# Allegro board 6089-103-RevA_73.brd (continued)
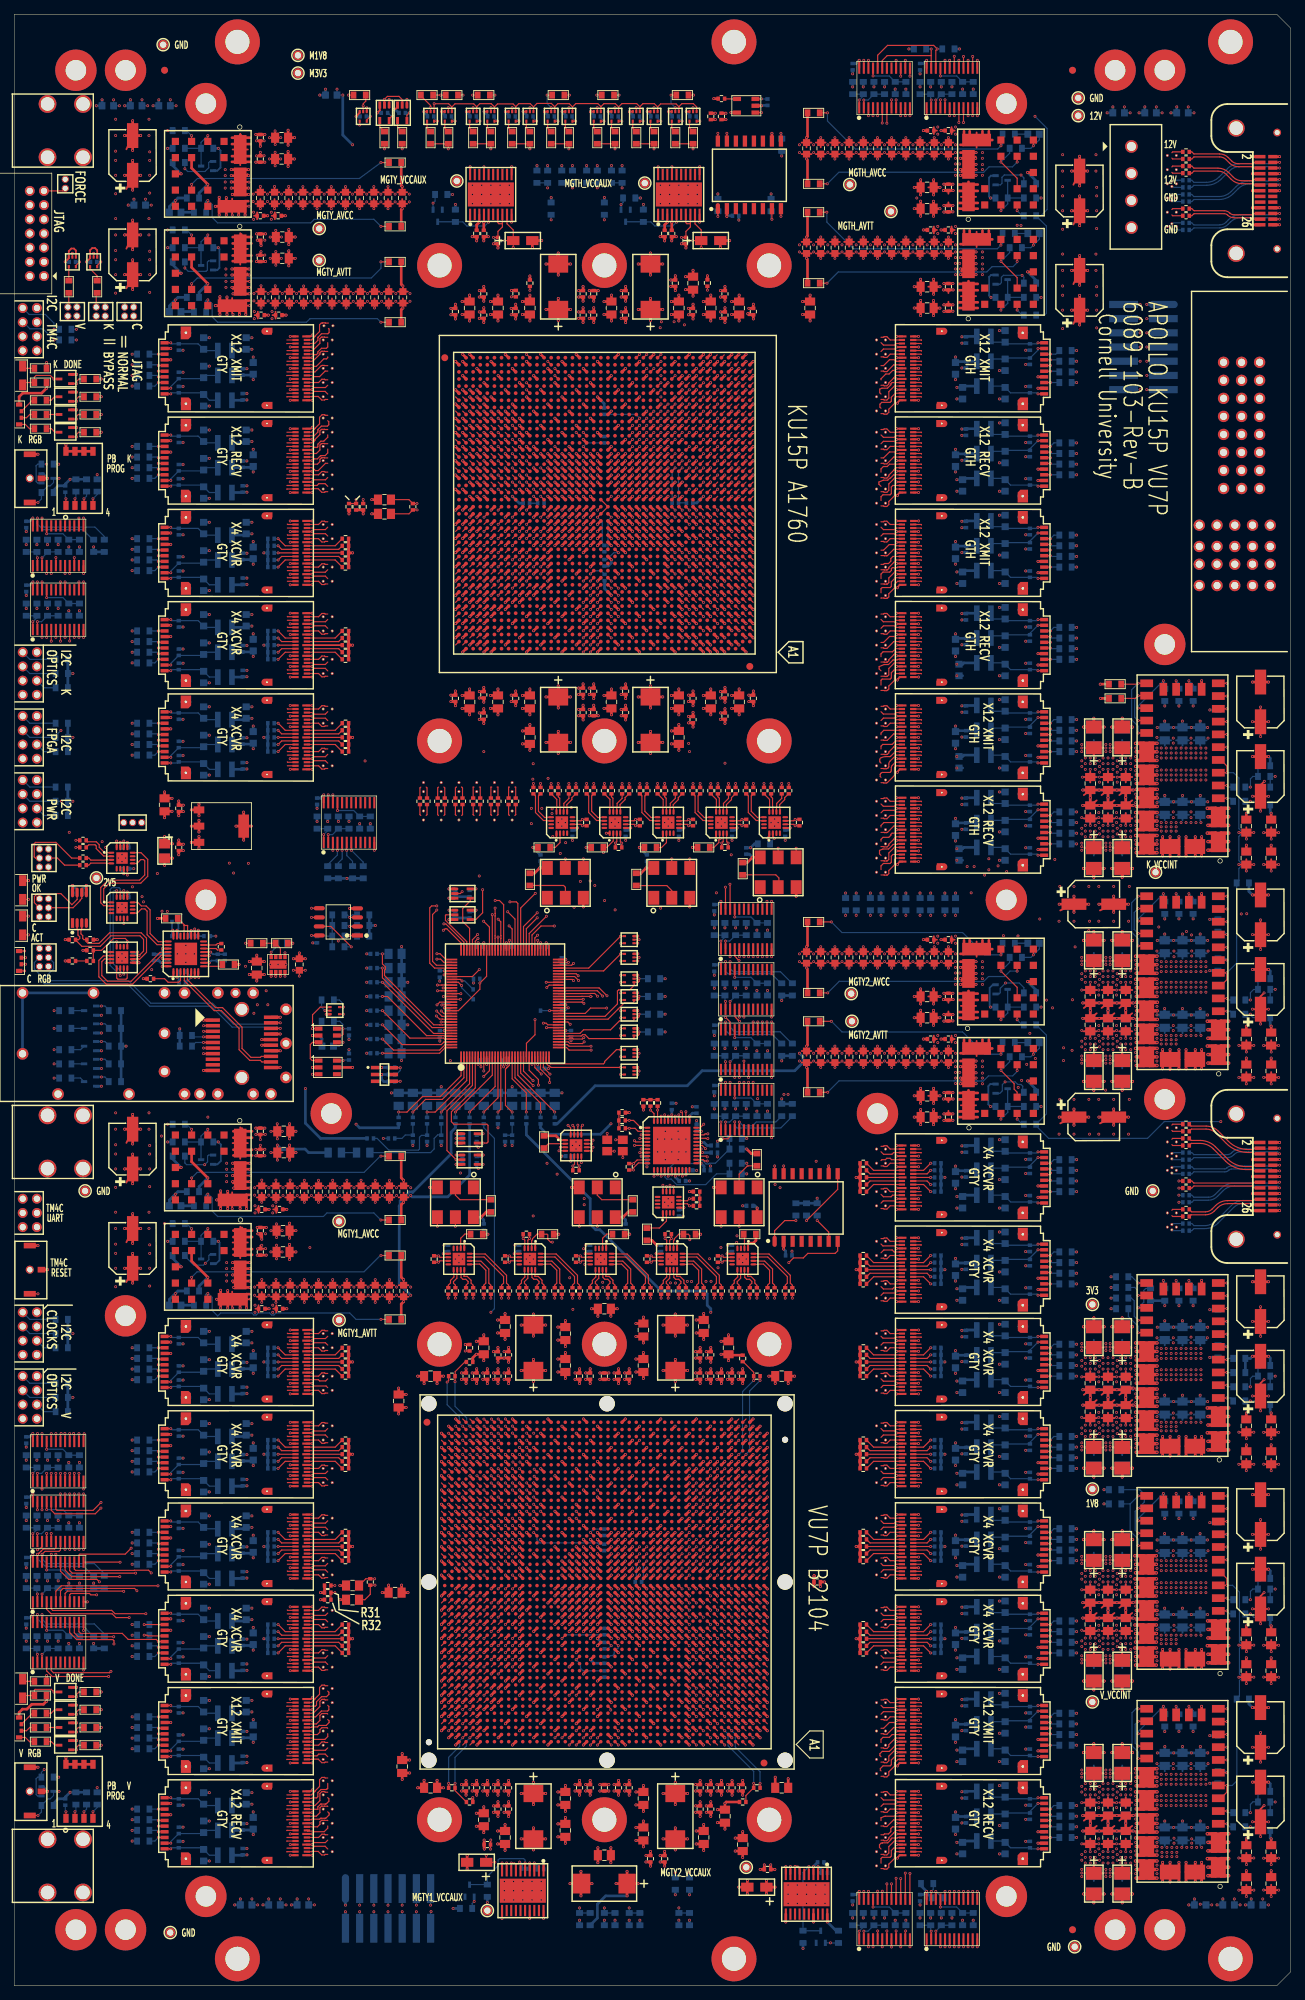
[diagram p0: board, top side]
## Routing (per net, layer and track width the routed paths; a pad name or vN(x,y) marks a point on that pad's centre or on a via; arc(x,y) is an arc through that point) (continued)
 ; J5.8 3.2,163.02 ; J5.8 3.87,163.23 ; J5.8 3.2,164.78 ; J5.8 2.53,164.57 ; J5.8 2.53,163.23 ; U13.24 39.07,132.03 ; U13.24 38.31,131.78 ; U13.24 38.31,133.79 ; U13.24 37.55,132.03 ; U13.24 39.07,133.55 ; U13.24 37.55,133.55 ; U13.24 37.31,132.79 ; U13.24 39.32,132.79 ; 64.79,168.08 65.2,168.26 ; 65.2,168.26 65.01,167.85 ; 65.2,168.26 65.52,167.94 ; 65.2,168.26 64.82,168.26 ; 65.2,168.26 65.2,167.88 ; 65.2,168.26 65.58,168.26 ; 65.2,168.26 64.88,167.94 ; 65.2,168.26 65.61,168.08 ; 43.56,91.52 43.56,91.9 ; 43.56,91.9 43.15,92.09 ; 43.56,91.9 43.56,92.28 ; 43.56,91.9 43.38,91.49 ; 43.56,91.9 43.24,92.22 ; 43.56,91.9 43.24,91.58 ; 43.56,91.9 43.18,91.9 ; 43.56,91.9 43.15,91.71 ; 122.83,171.52 VA93.3 ; VA93.3 123.02,172.31 ; VA93.3 123.22,171.9 ; VA93.3 123.25,172.09 ; VA93.3 123.16,172.22 ; VA93.3 122.83,172.28 ; VA93.3 123.25,171.71 ; VA93.3 123.16,171.58 ; 171.33,202.06 P1.P2-5 ; P1.P2-5 171.09,202.8 ; P1.P2-5 172.07,203.78 ; P1.P2-5 173.05,202.8 ; P1.P2-5 172.81,202.06 ; P1.P2-5 172.07,201.82 ; P1.P2-5 171.33,203.54 ; P1.P2-5 172.81,203.54 ; 121.15,92.09 VA109.3 ; VA109.3 121.24,92.22 ; VA109.3 121.24,91.58 ; VA109.3 121.56,91.52 ; VA109.3 121.18,91.9 ; VA109.3 121.38,91.49 ; VA109.3 121.56,92.28 ; VA109.3 121.15,91.71 ; VA7.4 44.84,219.28 ; VA7.4 45.16,219.22 ; VA7.4 44.84,218.52 ; VA7.4 45.22,218.9 ; VA7.4 45.25,219.09 ; VA7.4 45.02,219.31 ; VA7.4 45.16,218.58 ; VA7.4 45.25,218.71 ; VA2.4 45.25,229.71 ; VA2.4 45.16,229.58 ; VA2.4 44.84,229.52 ; VA2.4 45.25,230.09 ; VA2.4 45.22,229.9 ; VA2.4 44.84,230.28 ; VA2.4 45.16,230.22 ; VA2.4 45.02,230.31 ; 43.38,223.49 43.56,223.9 ; 43.56,223.9 43.56,223.52 ; 43.56,223.9 43.18,223.9 ; 43.56,223.9 43.24,224.22 ; 43.56,223.9 43.15,223.71 ; 43.56,223.9 43.24,223.58 ; 43.56,223.9 43.56,224.28 ; 43.56,223.9 43.15,224.09 ; 142.19,52.96 U115.G2 ; U115.G2 141.79,52.97 ; U115.G2 141.47,54.62 ; U115.G2 142.19,54.84 ; U115.G2 142.91,53.18 ; U115.G2 141.47,53.18 ; U115.G2 141.25,53.9 ; U115.G2 142.91,54.62 ; VA136.3 123.02,17.31 ; VA136.3 123.22,16.9 ; VA136.3 123.16,16.58 ; VA136.3 123.25,17.09 ; VA136.3 122.83,17.28 ; VA136.3 123.25,16.71 ; VA136.3 123.16,17.22 ; VA136.3 122.83,16.52 ; 166.09,205.8 P1.P2-10 ; P1.P2-10 167.07,206.78 ; P1.P2-10 167.81,206.54 ; P1.P2-10 167.81,205.06 ; P1.P2-10 167.07,204.82 ; P1.P2-10 168.05,205.8 ; P1.P2-10 166.33,206.54 ; P1.P2-10 166.33,205.06 ; 163.84,247.9 164.02,248.31 ; 163.84,247.9 163.84,247.52 ; 163.84,247.9 164.25,247.71 ; 163.84,247.9 163.84,248.28 ; 163.84,247.9 164.16,247.58 ; 163.84,247.9 164.22,247.9 ; 163.84,247.9 164.16,248.22 ; 163.84,247.9 164.25,248.09 ; 122.83,214.52 VA73.3 ; VA73.3 123.02,215.31 ; VA73.3 123.22,214.9 ; VA73.3 122.83,215.28 ; VA73.3 123.25,215.09 ; VA73.3 123.16,214.58 ; VA73.3 123.25,214.71 ; VA73.3 123.16,215.22 ; 163.84,120.9 164.02,121.31 ; 163.84,120.9 164.22,120.9 ; 163.84,120.9 164.25,120.71 ; 163.84,120.9 164.16,121.22 ; 163.84,120.9 164.25,121.09 ; 163.84,120.9 164.16,120.58 ; 163.84,120.9 163.84,121.28 ; 163.84,120.9 163.84,120.52 ; VA106.4 123.16,103.22 ; VA106.4 123.25,103.09 ; VA106.4 122.83,102.52 ; VA106.4 123.22,102.9 ; VA106.4 123.16,102.58 ; VA106.4 122.83,103.28 ; VA106.4 123.25,102.71 ; VA106.4 123.02,103.31 ; VA20.4 44.84,180.28 ; VA20.4 45.02,180.31 ; VA20.4 44.84,179.52 ; VA20.4 45.25,180.09 ; VA20.4 45.16,179.58 ; VA20.4 45.22,179.9 ; VA20.4 45.25,179.71 ; VA20.4 45.16,180.22 ; VA127.4 121.56,36.28 ; VA127.4 121.15,35.71 ; VA127.4 121.24,36.22 ; VA127.4 121.56,35.52 ; VA127.4 121.15,36.09 ; VA127.4 121.24,35.58 ; VA127.4 121.38,35.49 ; VA127.4 121.18,35.9 ; VA76.3 122.83,209.28 ; VA76.3 123.16,209.22 ; VA76.3 123.25,209.09 ; VA76.3 123.16,208.58 ; VA76.3 122.83,208.52 ; VA76.3 123.25,208.71 ; VA76.3 123.02,209.31 ; VA76.3 123.22,208.9 ; VA19.3 44.84,185.28 ; VA19.3 44.84,184.52 ; VA19.3 45.25,185.09 ; VA19.3 45.16,185.22 ; VA19.3 45.16,184.58 ; VA19.3 45.02,185.31 ; VA19.3 45.25,184.71 ; VA19.3 45.22,184.9 ; VA117.4 123.16,65.58 ; VA117.4 123.02,66.31 ; VA117.4 122.83,65.52 ; VA117.4 123.25,65.71 ; VA117.4 123.25,66.09 ; VA117.4 123.16,66.22 ; VA117.4 122.83,66.28 ; VA117.4 123.22,65.9 ; 20.52,133.54 U13.36 ; U13.36 20.32,134.21 ; U13.36 21.86,134.88 ; U13.36 21.19,135.09 ; U13.36 21.86,133.54 ; U13.36 22.07,134.21 ; U13.36 21.19,133.33 ; U13.36 20.52,134.88 ; 121.15,21.09 VA134.4 ; VA134.4 121.24,20.58 ; VA134.4 121.15,20.71 ; VA134.4 121.56,20.52 ; VA134.4 121.38,20.49 ; VA134.4 121.24,21.22 ; VA134.4 121.18,20.9 ; VA134.4 121.56,21.28 ; 122.83,195.52 VA82.3 ; VA82.3 123.22,195.9 ; VA82.3 123.16,195.58 ; VA82.3 123.25,196.09 ; VA82.3 123.25,195.71 ; VA82.3 123.16,196.22 ; VA82.3 123.02,196.31 ; VA82.3 122.83,196.28 ; 2.32,172.9 J4.8 ; J4.8 2.53,173.57 ; J4.8 3.2,172.02 ; J4.8 4.08,172.9 ; J4.8 3.87,173.57 ; J4.8 2.53,172.23 ; J4.8 3.2,173.78 ; J4.8 3.87,172.23 ; 44.84,59.52 VA34.3 ; VA34.3 45.22,59.9 ; VA34.3 45.16,60.22 ; VA34.3 45.25,60.09 ; VA34.3 45.25,59.71 ; VA34.3 44.84,60.28 ; VA34.3 45.16,59.58 ; VA34.3 45.02,60.31 ; VA123.3 123.16,47.22 ; VA123.3 123.02,47.31 ; VA123.3 122.83,46.52 ; VA123.3 122.83,47.28 ; VA123.3 123.25,47.09 ; VA123.3 123.25,46.71 ; VA123.3 123.22,46.9 ; VA123.3 123.16,46.58 ; 121.56,166.52 VA95.4 ; VA95.4 121.38,166.49 ; VA95.4 121.56,167.28 ; VA95.4 121.15,166.71 ; VA95.4 121.24,166.58 ; VA95.4 121.15,167.09 ; VA95.4 121.24,167.22 ; VA95.4 121.18,166.9 ; 121.24,118.22 VA101.3 ; VA101.3 121.38,117.49 ; VA101.3 121.15,118.09 ; VA101.3 121.24,117.58 ; VA101.3 121.15,117.71 ; VA101.3 121.18,117.9 ; VA101.3 121.56,117.52 ; VA101.3 121.56,118.28 ; PM21.1 21.67,272.83 ; PM21.1 21,274.38 ; PM21.1 21,272.62 ; PM21.1 21.88,273.5 ; PM21.1 21.67,274.17 ; PM21.1 20.33,272.83 ; PM21.1 20.12,273.5 ; PM21.1 20.33,274.17 ; U27.G2 24.93,56.18 ; U27.G2 23.49,56.18 ; U27.G2 23.81,55.97 ; U27.G2 24.21,55.96 ; U27.G2 24.93,57.62 ; U27.G2 24.21,57.84 ; U27.G2 23.49,57.62 ; U27.G2 25.15,56.9 ; P1.14 173.03,224.65 ; P1.14 174.01,223.67 ; P1.14 172.29,224.41 ; P1.14 173.03,222.69 ; P1.14 172.05,223.67 ; P1.14 172.29,222.93 ; P1.14 173.77,224.41 ; P1.14 173.77,222.93 ; VA31.3 44.84,71.28 ; VA31.3 44.84,70.52 ; VA31.3 45.16,71.22 ; VA31.3 45.02,71.31 ; VA31.3 45.25,71.09 ; VA31.3 45.25,70.71 ; VA31.3 45.22,70.9 ; VA31.3 45.16,70.58 ; 25.53,124.98 U13.29 ; U13.29 26.2,126.53 ; U13.29 27.07,125.65 ; U13.29 26.2,124.77 ; U13.29 25.32,125.65 ; U13.29 25.53,126.32 ; U13.29 26.87,126.32 ; U13.29 26.87,124.98 ; 163.84,257.52 163.84,257.9 ; 163.84,257.9 164.22,257.9 ; 163.84,257.9 163.84,258.28 ; 163.84,257.9 164.02,258.31 ; 163.84,257.9 164.16,257.58 ; 163.84,257.9 164.25,257.71 ; 163.84,257.9 164.25,258.09 ; 163.84,257.9 164.16,258.22 ; 43.15,184.71 43.56,184.9 ; 43.56,184.9 43.56,184.52 ; 43.56,184.9 43.38,184.49 ; 43.56,184.9 43.24,184.58 ; 43.56,184.9 43.15,185.09 ; 43.56,184.9 43.56,185.28 ; 43.56,184.9 43.24,185.22 ; 43.56,184.9 43.18,184.9 ; 24.21,39.96 U29.G1 ; U29.G1 24.93,40.18 ; U29.G1 23.49,41.62 ; U29.G1 24.93,41.62 ; U29.G1 23.81,39.97 ; U29.G1 25.15,40.9 ; U29.G1 23.49,40.18 ; U29.G1 24.21,41.84 ; 60.2,168.26 60.52,167.94 ; 60.2,168.26 60.2,167.88 ; 60.2,168.26 59.79,168.08 ; 60.2,168.26 60.58,168.26 ; 60.2,168.26 60.01,167.85 ; 60.2,168.26 59.88,167.94 ; 60.2,168.26 60.61,168.08 ; 60.2,168.26 59.82,168.26 ; 121.56,65.52 VA117.3 ; VA117.3 121.24,65.58 ; VA117.3 121.24,66.22 ; VA117.3 121.15,66.09 ; VA117.3 121.56,66.28 ; VA117.3 121.15,65.71 ; VA117.3 121.38,65.49 ; VA117.3 121.18,65.9 ; 15.31,125.65 U13.31 ; U13.31 16.19,124.77 ; U13.31 15.52,126.32 ; U13.31 17.07,125.65 ; U13.31 16.86,126.32 ; U13.31 16.19,126.53 ; U13.31 15.52,124.98 ; U13.31 16.86,124.98 ; 43.56,18.52 43.56,18.9 ; 43.56,18.9 43.15,18.71 ; 43.56,18.9 43.24,19.22 ; 43.56,18.9 43.15,19.09 ; 43.56,18.9 43.38,18.49 ; 43.56,18.9 43.18,18.9 ; 43.56,18.9 43.24,18.58 ; 43.56,18.9 43.56,19.28 ; 121.15,109.71 VA104.4 ; VA104.4 121.56,109.52 ; VA104.4 121.24,110.22 ; VA104.4 121.15,110.09 ; VA104.4 121.38,109.49 ; VA104.4 121.18,109.9 ; VA104.4 121.24,109.58 ; VA104.4 121.56,110.28 ; 23.49,184.62 U23.G2 ; U23.G2 24.21,184.84 ; U23.G2 25.15,183.9 ; U23.G2 23.49,183.18 ; U23.G2 24.93,184.62 ; U23.G2 24.21,182.96 ; U23.G2 23.81,182.97 ; U23.G2 24.93,183.18 ; VA99.3 123.16,159.22 ; VA99.3 123.25,158.71 ; VA99.3 123.25,159.09 ; VA99.3 123.02,159.31 ; VA99.3 122.83,158.52 ; VA99.3 123.22,158.9 ; VA99.3 123.16,158.58 ; VA99.3 122.83,159.28 ; 60.2,164.26 60.52,163.94 ; 60.2,164.26 60.61,164.08 ; 60.2,164.26 60.58,164.26 ; 60.2,164.26 59.79,164.08 ; 60.2,164.26 60.01,163.85 ; 60.2,164.26 59.82,164.26 ; 60.2,164.26 59.88,163.94 ; 60.2,164.26 60.2,163.88 ; VA72.3 123.22,216.9 ; VA72.3 123.25,217.09 ; VA72.3 123.02,217.31 ; VA72.3 123.25,216.71 ; VA72.3 123.16,217.22 ; VA72.3 122.83,217.28 ; VA72.3 123.16,216.58 ; VA72.3 122.83,216.52 ; VA114.4 123.25,77.09 ; VA114.4 122.83,77.28 ; VA114.4 123.25,76.71 ; VA114.4 123.16,76.58 ; VA114.4 123.22,76.9 ; VA114.4 123.02,77.31 ; VA114.4 123.16,77.22 ; VA114.4 122.83,76.52 ; VA120.3 123.16,58.22 ; VA120.3 123.25,57.71 ; VA120.3 123.22,57.9 ; VA120.3 122.83,58.28 ; VA120.3 123.02,58.31 ; VA120.3 123.25,58.09 ; VA120.3 122.83,57.52 ; VA120.3 123.16,57.58 ; 121.56,218.52 VA71.4 ; VA71.4 121.24,219.22 ; VA71.4 121.15,218.71 ; VA71.4 121.56,219.28 ; VA71.4 121.15,219.09 ; VA71.4 121.24,218.58 ; VA71.4 121.18,218.9 ; VA71.4 121.38,218.49 ; 172.29,217.85 P1.12 ; P1.12 172.29,219.33 ; P1.12 173.77,217.85 ; P1.12 174.01,218.59 ; P1.12 173.03,217.61 ; P1.12 173.77,219.33 ; P1.12 172.05,218.59 ; P1.12 173.03,219.57 ; J4.7 2.07,172.52 ; J4.7 1.87,173.57 ; J4.7 1.58,173.77 ; J4.7 1.2,173.78 ; J4.7 2.07,173.28 ; J4.7 1.2,172.02 ; J4.7 2.08,172.9 ; J4.7 1.87,172.23 ; VA57.4 62.7,169.92 ; VA57.4 62.38,169.86 ; VA57.4 63.02,169.86 ; VA57.4 63.08,169.53 ; VA57.4 62.32,169.53 ; VA57.4 62.89,169.95 ; VA57.4 62.29,169.72 ; VA57.4 63.11,169.72 ; PM24.1 161.17,111.33 ; PM24.1 159.83,111.33 ; PM24.1 160.5,112.88 ; PM24.1 160.5,111.12 ; PM24.1 161.17,112.67 ; PM24.1 159.62,112 ; PM24.1 161.38,112 ; PM24.1 159.83,112.67 ; 121.18,225.9 VA68.4 ; VA68.4 121.56,226.28 ; VA68.4 121.24,226.22 ; VA68.4 121.15,226.09 ; VA68.4 121.24,225.58 ; VA68.4 121.15,225.71 ; VA68.4 121.38,225.49 ; VA68.4 121.56,225.52 ; VA4.4 45.22,225.9 ; VA4.4 45.16,225.58 ; VA4.4 45.25,226.09 ; VA4.4 45.02,226.31 ; VA4.4 44.84,226.28 ; VA4.4 44.84,225.52 ; VA4.4 45.16,226.22 ; VA4.4 45.25,225.71 ; 3.53,245.57 J1.5 ; J1.5 4.87,244.23 ; J1.5 4.2,244.02 ; J1.5 4.2,245.78 ; J1.5 5.08,244.9 ; J1.5 4.87,245.57 ; J1.5 3.32,244.9 ; J1.5 3.53,244.23 ; 23.49,17.18 U30.G2 ; U30.G2 24.93,17.18 ; U30.G2 24.93,18.62 ; U30.G2 23.49,18.62 ; U30.G2 24.21,16.96 ; U30.G2 25.15,17.9 ; U30.G2 23.81,16.97 ; U30.G2 24.21,18.84 ; VA105.4 123.25,105.09 ; VA105.4 123.25,104.71 ; VA105.4 122.83,104.52 ; VA105.4 122.83,105.28 ; VA105.4 123.22,104.9 ; VA105.4 123.16,105.22 ; VA105.4 123.02,105.31 ; VA105.4 123.16,104.58 ; 27.95,139.14 U13.40 ; U13.40 27.71,139.9 ; U13.40 28.71,138.9 ; U13.40 28.71,140.9 ; U13.40 27.95,140.66 ; U13.40 29.47,139.14 ; U13.40 29.47,140.66 ; U13.40 29.71,139.9 ; VA130.3 123.22,29.9 ; VA130.3 123.25,29.71 ; VA130.3 122.83,30.28 ; VA130.3 123.25,30.09 ; VA130.3 123.02,30.31 ; VA130.3 122.83,29.52 ; VA130.3 123.16,29.58 ; VA130.3 123.16,30.22 ; U22.G2 24.21,197.84 ; U22.G2 23.49,196.18 ; U22.G2 24.93,197.62 ; U22.G2 24.93,196.18 ; U22.G2 23.81,195.97 ; U22.G2 24.21,195.96 ; U22.G2 25.15,196.9 ; U22.G2 23.49,197.62 ; VA35.3 45.16,58.22 ; VA35.3 45.22,57.9 ; VA35.3 45.16,57.58 ; VA35.3 44.84,58.28 ; VA35.3 45.25,57.71 ; VA35.3 45.02,58.31 ; VA35.3 45.25,58.09 ; VA35.3 44.84,57.52 ; 44.84,203.52 VA13.4 ; VA13.4 45.16,204.22 ; VA13.4 45.16,203.58 ; VA13.4 45.25,204.09 ; VA13.4 45.25,203.71 ; VA13.4 44.84,204.28 ; VA13.4 45.22,203.9 ; VA13.4 45.02,204.31 ; 69.88,167.94 70.2,168.26 ; 70.2,168.26 70.01,167.85 ; 70.2,168.26 69.79,168.08 ; 70.2,168.26 70.52,167.94 ; 70.2,168.26 70.61,168.08 ; 70.2,168.26 69.82,168.26 ; 70.2,168.26 70.2,167.88 ; 70.2,168.26 70.58,168.26 ; U114.G1 142.91,56.18 ; U114.G1 141.47,56.18 ; U114.G1 142.19,57.84 ; U114.G1 141.47,57.62 ; U114.G1 141.79,55.97 ; U114.G1 142.19,55.96 ; U114.G1 141.25,56.9 ; U114.G1 142.91,57.62 ; 121.56,214.52 VA73.4 ; VA73.4 121.15,214.71 ; VA73.4 121.56,215.28 ; VA73.4 121.24,214.58 ; VA73.4 121.15,215.09 ; VA73.4 121.24,215.22 ; VA73.4 121.38,214.49 ; VA73.4 121.18,214.9 ; 121.24,211.22 VA75.4 ; VA75.4 121.15,211.09 ; VA75.4 121.24,210.58 ; VA75.4 121.18,210.9 ; VA75.4 121.56,211.28 ; VA75.4 121.56,210.52 ; VA75.4 121.38,210.49 ; VA75.4 121.15,210.71 ; U13.22 34.69,139.9 ; U13.22 32.69,139.9 ; U13.22 33.69,138.9 ; U13.22 33.69,140.9 ; U13.22 34.45,139.14 ; U13.22 32.93,139.14 ; U13.22 34.45,140.66 ; U13.22 32.93,140.66 ; VA121.3 121.56,53.28 ; VA121.3 121.24,53.22 ; VA121.3 121.15,53.09 ; VA121.3 121.15,52.71 ; VA121.3 121.18,52.9 ; VA121.3 121.38,52.49 ; VA121.3 121.56,52.52 ; VA121.3 121.24,52.58 ; VA62.4 67.7,165.92 ; VA62.4 67.29,165.72 ; VA62.4 67.38,165.86 ; VA62.4 67.32,165.53 ; VA62.4 68.08,165.53 ; VA62.4 68.02,165.86 ; VA62.4 67.89,165.95 ; VA62.4 68.11,165.72 ; 121.56,63.52 VA118.3 ; VA118.3 121.18,63.9 ; VA118.3 121.56,64.28 ; VA118.3 121.38,63.49 ; VA118.3 121.24,64.22 ; VA118.3 121.15,63.71 ; VA118.3 121.15,64.09 ; VA118.3 121.24,63.58 ; 43.18,33.9 43.56,33.9 ; 43.56,33.9 43.15,34.09 ; 43.56,33.9 43.24,33.58 ; 43.56,33.9 43.56,34.28 ; 43.56,33.9 43.38,33.49 ; 43.56,33.9 43.15,33.71 ; 43.56,33.9 43.24,34.22 ; 43.56,33.9 43.56,33.52 ; 121.24,72.58 VA115.4 ; VA115.4 121.56,72.52 ; VA115.4 121.15,73.09 ; VA115.4 121.15,72.71 ; VA115.4 121.24,73.22 ; VA115.4 121.18,72.9 ; VA115.4 121.38,72.49 ; VA115.4 121.56,73.28 ; 121.18,104.9 VA105.3 ; VA105.3 121.38,104.49 ; VA105.3 121.15,105.09 ; VA105.3 121.56,104.52 ; VA105.3 121.24,104.58 ; VA105.3 121.56,105.28 ; VA105.3 121.15,104.71 ; VA105.3 121.24,105.22 ; 121.24,77.22 VA114.3 ; VA114.3 121.56,77.28 ; VA114.3 121.15,77.09 ; VA114.3 121.24,76.58 ; VA114.3 121.15,76.71 ; VA114.3 121.38,76.49 ; VA114.3 121.18,76.9 ; VA114.3 121.56,76.52 ; 43.24,232.22 43.56,231.9 ; 43.56,231.9 43.15,231.71 ; 43.56,231.9 43.18,231.9 ; 43.56,231.9 43.15,232.09 ; 43.56,231.9 43.24,231.58 ; 43.56,231.9 43.38,231.49 ; 43.56,231.9 43.56,231.52 ; 43.56,231.9 43.56,232.28 ; VA116.3 123.25,70.71 ; VA116.3 123.16,70.58 ; VA116.3 122.83,71.28 ; VA116.3 123.25,71.09 ; VA116.3 122.83,70.52 ; VA116.3 123.22,70.9 ; VA116.3 123.16,71.22 ; VA116.3 123.02,71.31 ; 122.83,162.52 VA97.3 ; VA97.3 123.25,163.09 ; VA97.3 123.25,162.71 ; VA97.3 123.02,163.31 ; VA97.3 123.22,162.9 ; VA97.3 122.83,163.28 ; VA97.3 123.16,162.58 ; VA97.3 123.16,163.22 ; 57.29,169.72 VA53.4 ; VA53.4 57.32,169.53 ; VA53.4 57.7,169.92 ; VA53.4 58.11,169.72 ; VA53.4 58.02,169.86 ; VA53.4 58.08,169.53 ; VA53.4 57.89,169.95 ; VA53.4 57.38,169.86 ; 43.38,24.49 43.56,24.9 ; 43.56,24.9 43.15,24.71 ; 43.56,24.9 43.56,24.52 ; 43.56,24.9 43.18,24.9 ; 43.56,24.9 43.15,25.09 ; 43.56,24.9 43.56,25.28 ; 43.56,24.9 43.24,25.22 ; 43.56,24.9 43.24,24.58 ; 121.24,190.58 VA84.4 ; VA84.4 121.15,191.09 ; VA84.4 121.56,190.52 ; VA84.4 121.56,191.28 ; VA84.4 121.15,190.71 ; VA84.4 121.24,191.22 ; VA84.4 121.18,190.9 ; VA84.4 121.38,190.49 ; 43.15,53.09 43.56,52.9 ; 43.56,52.9 43.56,52.52 ; 43.56,52.9 43.15,52.71 ; 43.56,52.9 43.18,52.9 ; 43.56,52.9 43.38,52.49 ; 43.56,52.9 43.24,53.22 ; 43.56,52.9 43.56,53.28 ; 43.56,52.9 43.24,52.58 ; VA121.4 123.25,52.71 ; VA121.4 123.02,53.31 ; VA121.4 123.16,52.58 ; VA121.4 123.22,52.9 ; VA121.4 123.25,53.09 ; VA121.4 122.83,53.28 ; VA121.4 123.16,53.22 ; VA121.4 122.83,52.52 ; 163.84,116.9 164.16,117.22 ; 163.84,116.9 164.22,116.9 ; 163.84,116.9 164.25,117.09 ; 163.84,116.9 164.16,116.58 ; 163.84,116.9 164.25,116.71 ; 163.84,116.9 163.84,117.28 ; 163.84,116.9 163.84,116.52 ; 163.84,116.9 164.02,117.31 ; VA49.4 45.02,23.31 ; VA49.4 44.84,23.28 ; VA49.4 45.16,23.22 ; VA49.4 45.16,22.58 ; VA49.4 45.25,22.71 ; VA49.4 45.25,23.09 ; VA49.4 45.22,22.9 ; VA49.4 44.84,22.52 ; 121.18,89.9 VA110.3 ; VA110.3 121.15,90.09 ; VA110.3 121.24,89.58 ; VA110.3 121.56,90.28 ; VA110.3 121.15,89.71 ; VA110.3 121.24,90.22 ; VA110.3 121.56,89.52 ; VA110.3 121.38,89.49 ; 142.19,39.96 U116.G2 ; U116.G2 142.91,41.62 ; U116.G2 141.47,40.18 ; U116.G2 142.91,40.18 ; U116.G2 141.79,39.97 ; U116.G2 141.47,41.62 ; U116.G2 141.25,40.9 ; U116.G2 142.19,41.84 ; 121.15,200.09 VA80.4 ; VA80.4 121.56,199.52 ; VA80.4 121.56,200.28 ; VA80.4 121.24,199.58 ; VA80.4 121.18,199.9 ; VA80.4 121.38,199.49 ; VA80.4 121.24,200.22 ; VA80.4 121.15,199.71 ; 121.15,157.09 VA100.4 ; VA100.4 121.56,156.52 ; VA100.4 121.24,156.58 ; VA100.4 121.18,156.9 ; VA100.4 121.38,156.49 ; VA100.4 121.24,157.22 ; VA100.4 121.56,157.28 ; VA100.4 121.15,156.71 ; VA131.3 122.83,27.28 ; VA131.3 123.25,27.09 ; VA131.3 123.16,27.22 ; VA131.3 123.02,27.31 ; VA131.3 122.83,26.52 ; VA131.3 123.16,26.58 ; VA131.3 123.25,26.71 ; VA131.3 123.22,26.9 ; 43.24,228.22 43.56,227.9 ; 43.56,227.9 43.38,227.49 ; 43.56,227.9 43.56,227.52 ; 43.56,227.9 43.15,227.71 ; 43.56,227.9 43.18,227.9 ; 43.56,227.9 43.56,228.28 ; 43.56,227.9 43.24,227.58 ; 43.56,227.9 43.15,228.09 ; 23.49,27.18 U30.G1 ; U30.G1 24.21,26.96 ; U30.G1 23.81,26.97 ; U30.G1 24.21,28.84 ; U30.G1 24.93,27.18 ; U30.G1 24.93,28.62 ; U30.G1 23.49,28.62 ; U30.G1 25.15,27.9 ; VA112.4 121.56,84.28 ; VA112.4 121.38,83.49 ; VA112.4 121.24,84.22 ; VA112.4 121.18,83.9 ; VA112.4 121.15,83.71 ; VA112.4 121.15,84.09 ; VA112.4 121.24,83.58 ; VA112.4 121.56,83.52 ; VA75.3 123.02,211.31 ; VA75.3 123.16,211.22 ; VA75.3 123.16,210.58 ; VA75.3 122.83,210.52 ; VA75.3 123.22,210.9 ; VA75.3 123.25,211.09 ; VA75.3 123.25,210.71 ; VA75.3 122.83,211.28 ; VA129.3 123.16,31.58 ; VA129.3 123.25,31.71 ; VA129.3 123.16,32.22 ; VA129.3 123.25,32.09 ; VA129.3 123.22,31.9 ; VA129.3 122.83,32.28 ; VA129.3 123.02,32.31 ; VA129.3 122.83,31.52 ; VA3.4 44.84,228.28 ; VA3.4 45.25,228.09 ; VA3.4 45.22,227.9 ; VA3.4 44.84,227.52 ; VA3.4 45.16,227.58 ; VA3.4 45.02,228.31 ; VA3.4 45.25,227.71 ; VA3.4 45.16,228.22 ; J3.7 1.2,182.78 ; J3.7 2.07,181.52 ; J3.7 1.87,182.57 ; J3.7 2.07,182.28 ; J3.7 1.58,182.77 ; J3.7 1.87,181.23 ; J3.7 1.2,181.02 ; J3.7 2.08,181.9 ; 121.15,208.71 VA76.4 ; VA76.4 121.24,209.22 ; VA76.4 121.56,208.52 ; VA76.4 121.38,208.49 ; VA76.4 121.56,209.28 ; VA76.4 121.18,208.9 ; VA76.4 121.24,208.58 ; VA76.4 121.15,209.09 ; VA18.3 45.16,186.58 ; VA18.3 45.25,187.09 ; VA18.3 44.84,186.52 ; VA18.3 45.02,187.31 ; VA18.3 45.16,187.22 ; VA18.3 44.84,187.28 ; VA18.3 45.25,186.71 ; VA18.3 45.22,186.9 ; 43.18,199.9 43.56,199.9 ; 43.56,199.9 43.24,200.22 ; 43.56,199.9 43.56,200.28 ; 43.56,199.9 43.24,199.58 ; 43.56,199.9 43.15,199.71 ; 43.56,199.9 43.56,199.52 ; 43.56,199.9 43.15,200.09 ; 43.56,199.9 43.38,199.49 ; 43.56,218.9 43.56,219.28 ; 43.56,218.9 43.15,218.71 ; 43.56,218.9 43.24,219.22 ; 43.56,218.9 43.18,218.9 ; 43.56,218.9 43.38,218.49 ; 43.56,218.9 43.56,218.52 ; 43.56,218.9 43.24,218.58 ; 43.56,218.9 43.15,219.09 ; VA104.3 122.83,110.28 ; VA104.3 123.25,109.71 ; VA104.3 123.25,110.09 ; VA104.3 122.83,109.52 ; VA104.3 123.02,110.31 ; VA104.3 123.22,109.9 ; VA104.3 123.16,109.58 ; VA104.3 123.16,110.22 ; U24.G2 25.15,170.9 ; U24.G2 23.81,169.97 ; U24.G2 23.49,171.62 ; U24.G2 24.93,170.18 ; U24.G2 24.93,171.62 ; U24.G2 24.21,169.96 ; U24.G2 24.21,171.84 ; U24.G2 23.49,170.18 ; 121.15,232.09 VA65.4 ; VA65.4 121.56,232.28 ; VA65.4 121.38,231.49 ; VA65.4 121.24,231.58 ; VA65.4 121.15,231.71 ; VA65.4 121.18,231.9 ; VA65.4 121.56,231.52 ; VA65.4 121.24,232.22 ; 162.18,116.9 VA145.4 ; VA145.4 162.24,117.22 ; VA145.4 162.56,117.28 ; VA145.4 162.38,116.49 ; VA145.4 162.56,116.52 ; VA145.4 162.15,116.71 ; VA145.4 162.15,117.09 ; VA145.4 162.24,116.58 ; VA23.3 44.84,172.28 ; VA23.3 45.25,171.71 ; VA23.3 44.84,171.52 ; VA23.3 45.16,171.58 ; VA23.3 45.25,172.09 ; VA23.3 45.16,172.22 ; VA23.3 45.02,172.31 ; VA23.3 45.22,171.9 ; 121.56,111.52 VA103.4 ; VA103.4 121.56,112.28 ; VA103.4 121.24,112.22 ; VA103.4 121.15,112.09 ; VA103.4 121.38,111.49 ; VA103.4 121.18,111.9 ; VA103.4 121.24,111.58 ; VA103.4 121.15,111.71 ; 43.56,57.9 43.56,58.28 ; 43.56,57.9 43.24,58.22 ; 43.56,57.9 43.38,57.49 ; 43.56,57.9 43.24,57.58 ; 43.56,57.9 43.15,58.09 ; 43.56,57.9 43.15,57.71 